# KiCad board Adafruit nRF52840 Bluefruit Feather Express Rev D.kicad_pcb (continued)
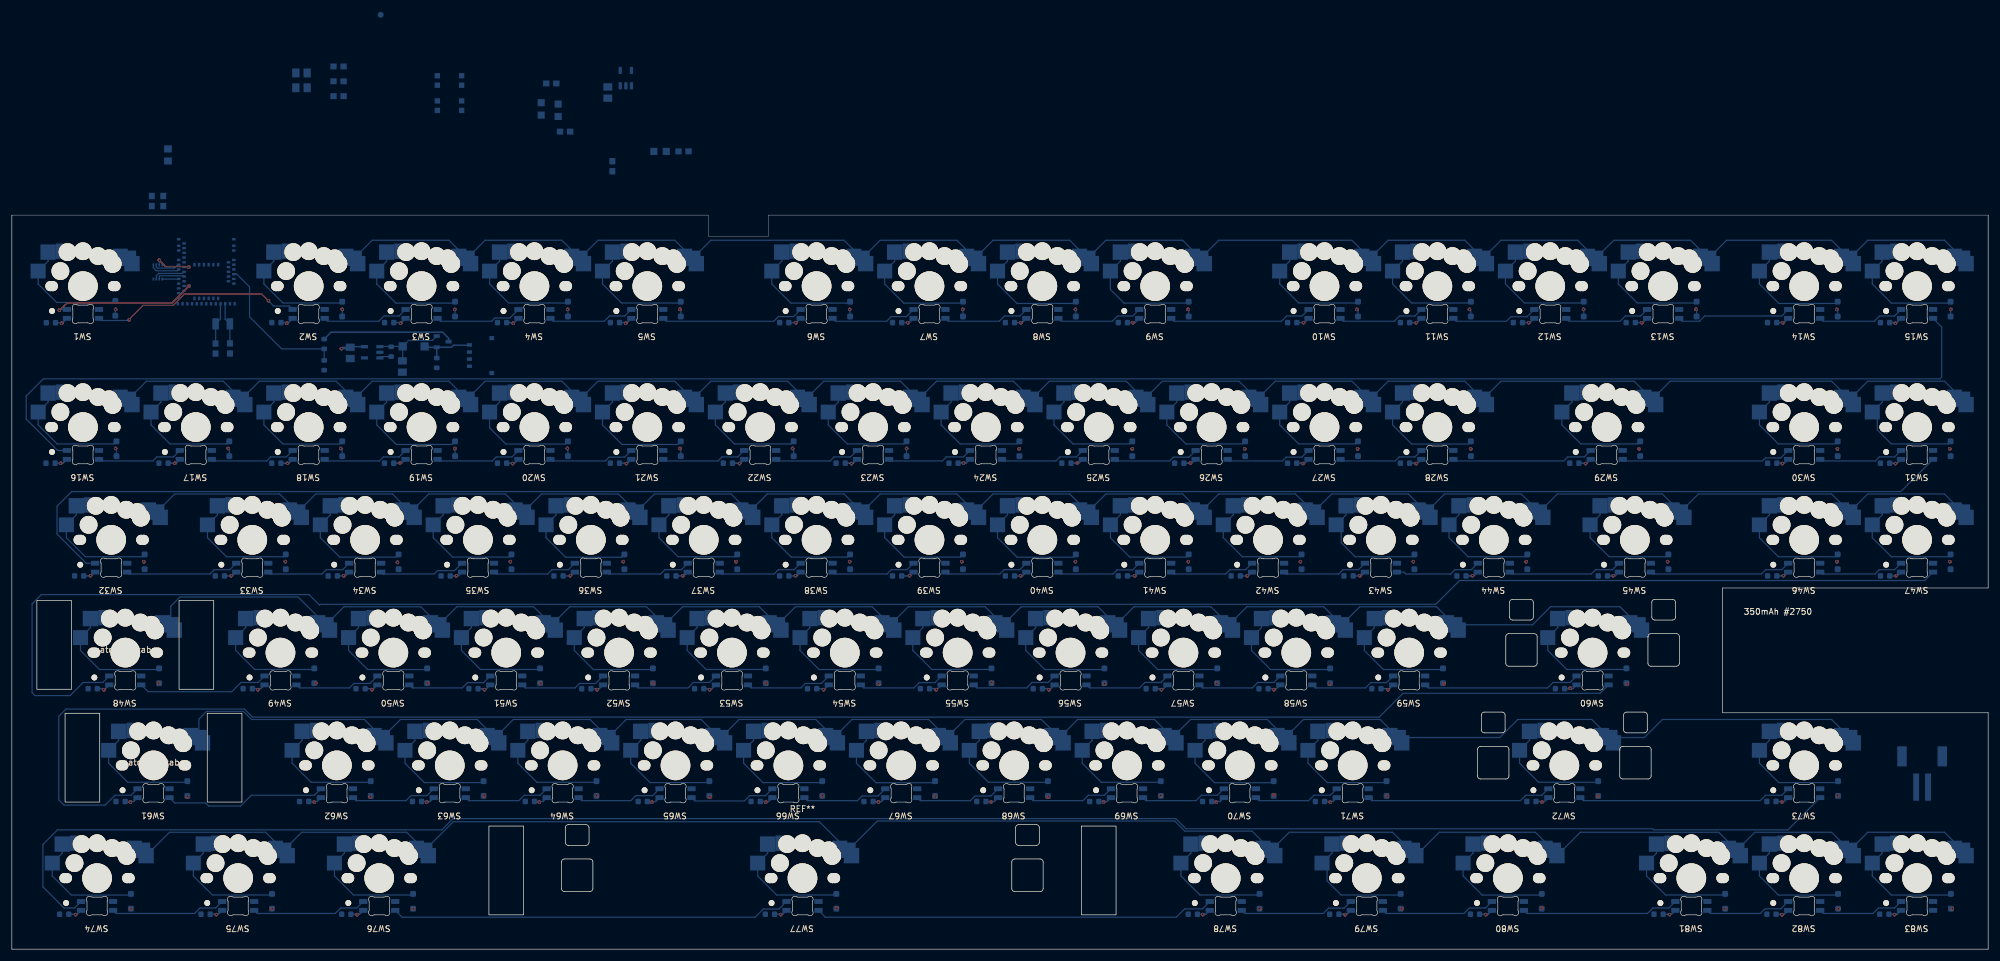
[diagram p0: board, top side]
## Routing (per net, layer and track width the routed paths; a pad name or vN(x,y) marks a point on that pad's centre or on a via; arc(x,y) is an arc through that point) (continued)
Net-(SW4B-DO): length 14.7
  Bottom w0.2: 90.9,106.56 91.38,106.08 99.99,106.08 100.87,106.97 103.45,106.97 104.55,108.06
Net-(SW5B-DO): length 24.2
  Bottom w0.2: SW5.5 110.43,106.08 128.6,106.08 129.38,106.87 131.93,106.87 SW6.3
Net-(SW6B-DO): length 14.7
  Bottom w0.2: SW6.5 139.01,106.08 147.65,106.08 148.43,106.87 150.98,106.87 SW7.3
Net-(SW7B-DO): length 14.7
  Bottom w0.2: SW8.3 170.13,106.97 167.55,106.97 166.66,106.08 158.06,106.08 SW7.5
Net-(SW8B-DO): length 14.7
  Bottom w0.2: SW8.5 177.11,106.08 185.75,106.08 186.63,106.97 189.18,106.97 SW9.3
Net-(SW10B-DI): length 24.2
  Bottom w0.2: SW10.3 217.75,106.96 215.17,106.96 214.29,106.08 196.16,106.08 SW9.5
Net-(SW10B-DO): length 14.7
  Bottom w0.2: SW10.5 224.73,106.08 233.34,106.08 234.22,106.97 236.8,106.97 SW11.3
Net-(SW11B-DO): length 14.7
  Bottom w0.2: SW12.3 255.72,106.84 253.01,106.84 252.26,106.08 243.78,106.08 SW11.5
Net-(SW12B-DO): length 14.7
  Bottom w0.2: SW12.5 262.83,106.08 271.44,106.08 272.32,106.97 274.9,106.97 SW13.3
Net-(SW13B-DO): length 19.4
  Bottom w0.2: SW13.5 281.88,106.08 284.83,106.08 285.72,106.97 298.72,106.97 SW14.3
Net-(SW14B-DO): length 14.7
  Bottom w0.2: SW15.3 317.77,106.97 315.25,106.97 314.36,106.08 305.69,106.08 SW14.5
Net-(SW15B-DO): length 348.1
  Bottom w0.2: 9.3,84.25 7.72,84.25 2.42,89.56 2.42,93.45 5.32,96.35 325.43,96.35 325.72,96.64 325.72,105.11 SW15.5
Net-(SW16-Pad1): length 347.5
  Bottom w0.2: SW31.1 326.19,95.95 313.24,95.95 SW30.1 307.14,95.95 279.9,95.95 SW29.1 273.8,95.95 251.32,95.95 SW28.1 245.23,95.95 232.27,95.95 SW27.1 226.18,95.95 213.22,95.95 SW26.1 207.12,95.95 194.17,95.95 SW25.1 188.07,95.95 175.12,95.95 SW24.1 169.03,95.95 156.07,95.95 SW23.1 149.97,95.95 137.03,95.95 SW22.1 130.92,95.95 117.97,95.95 SW21.1 111.88,95.95 98.92,95.95 SW20.1 92.82,95.95 79.88,95.95 SW19.1 73.78,95.95 60.83,95.95 SW18.1 54.73,95.95 41.77,95.95 SW17.1 35.68,95.95 22.73,95.95 SW16.1
Net-(SW16B-DO): length 14.5
  Bottom w0.2: SW16.5 14.97,82.48 23.81,82.48 24.48,83.15 27.25,83.15 SW17.3
Net-(SW17B-DO): length 14.5
  Bottom w0.2: SW17.5 34.02,82.48 43.02,82.48 43.69,83.15 46.3,83.15 SW18.3
Net-(SW18B-DO): length 14.5
  Bottom w0.2: SW18.5 53.07,82.48 62.04,82.48 62.71,83.15 65.35,83.15 SW19.3
Net-(SW19B-DO): length 14.5
  Bottom w0.2: SW19.5 72.12,82.48 81.09,82.48 81.76,83.15 84.4,83.15 85.5,84.25
Net-(SW20B-DO): length 14.5
  Bottom w0.2: 104.55,84.25 103.42,83.12 100.81,83.12 100.17,82.48 91.17,82.48 90.9,82.75
Net-(SW21B-DO): length 14.5
  Bottom w0.2: SW21.5 110.22,82.48 119.19,82.48 119.86,83.15 122.5,83.15 SW22.3
Net-(SW22B-DO): length 14.5
  Bottom w0.2: SW23.3 141.55,83.15 138.78,83.15 138.11,82.48 129.27,82.48 129,82.75
Net-(SW23B-DO): length 14.5
  Bottom w0.2: SW23.5 148.32,82.48 157.06,82.48 157.73,83.15 160.6,83.15 SW24.3
Net-(SW24B-DO): length 14.5
  Bottom w0.2: SW25.3 179.65,83.15 176.89,83.15 176.22,82.48 167.37,82.48 SW24.5
Net-(SW25B-DO): length 14.5
  Bottom w0.2: SW25.5 186.42,82.48 195.42,82.48 196.06,83.12 198.67,83.12 SW26.3
Net-(SW26B-DO): length 14.5
  Bottom w0.2: SW27.3 217.72,83.12 215.07,83.12 214.44,82.48 205.47,82.48 SW26.5
Net-(SW27B-DO): length 14.5
  Bottom w0.2: SW27.5 224.52,82.48 233.49,82.48 234.16,83.15 236.8,83.15 SW28.3
Net-(SW28B-DO): length 24
  Bottom w0.2: SW29.3 265.38,83.15 262.61,83.15 261.93,82.48 243.57,82.48 SW28.5
Net-(SW29B-DO): length 28.8
  Bottom w0.2: SW30.3 298.55,82.99 295.97,82.99 295.46,82.48 272.14,82.48 SW29.5
Net-(SW30B-DO): length 14.5
  Bottom w0.2: SW30.5 305.48,82.48 314.51,82.48 315.18,83.15 317.77,83.15 SW31.3
Net-(SW31B-DO): length 333.1
  Bottom w0.2: SW31.5 318.81,77.3 10.08,77.3 7.62,74.84 7.62,70.13 12.55,65.2 SW32.3
Net-(SW32-Pad1): length 342.7
  Bottom w0.2: SW47.1 326.19,76.9 313.24,76.9 SW46.1 307.14,76.9 284.66,76.9 SW45.1 278.56,76.9 260.85,76.9 SW44.1 254.75,76.9 241.8,76.9 SW43.1 235.7,76.9 222.75,76.9 SW42.1 216.65,76.9 203.7,76.9 SW41.1 197.6,76.9 184.65,76.9 SW40.1 178.55,76.9 165.6,76.9 162.55,73.85 159.5,76.9 146.55,76.9 SW38.1 140.45,76.9 127.5,76.9 124.45,73.85 121.4,76.9 108.45,76.9 SW36.1 102.35,76.9 89.4,76.9 SW35.1 83.3,76.9 70.35,76.9 SW34.1 64.25,76.9 51.3,76.9 SW33.1 45.2,76.9 27.49,76.9 SW32.1
Net-(SW32B-DO): length 19.3
  Bottom w0.2: SW32.5 19.78,63.38 33.45,63.38 34.17,64.1 36.78,64.1 SW33.3
Net-(SW33B-DO): length 14.5
  Bottom w0.2: SW33.5 43.59,63.38 52.33,63.38 53.06,64.1 55.83,64.1 SW34.3
Net-(SW34B-DO): length 14.5
  Bottom w0.2: SW35.3 74.72,63.95 71.82,63.95 71.26,63.38 62.64,63.38 SW34.5
Net-(SW35B-DO): length 14.5
  Bottom w0.2: SW35.5 81.69,63.38 90.43,63.38 91.16,64.1 93.93,64.1 SW36.3
Net-(SW36B-DO): length 14.5
  Bottom w0.2: SW37.3 112.98,64.1 110.21,64.1 109.48,63.38 100.74,63.38 SW36.5
Net-(SW37B-DO): length 14.5
  Bottom w0.2: SW37.5 119.79,63.38 128.66,63.38 129.38,64.1 132.03,64.1 SW38.3
Net-(SW38B-DO): length 14.5
  Bottom w0.2: SW38.5 138.84,63.38 147.71,63.38 148.43,64.1 151.08,64.1 SW39.3
Net-(SW39B-DO): length 14.5
  Bottom w0.2: SW40.3 170.13,64.1 167.48,64.1 166.76,63.38 157.89,63.38 SW39.5
Net-(SW40B-DO): length 14.5
  Bottom w0.2: SW41.3 189.14,64.07 186.53,64.07 185.85,63.38 176.94,63.38 SW40.5
Net-(SW41B-DO): length 14.5
  Bottom w0.2: SW41.5 195.99,63.38 204.86,63.38 205.58,64.1 208.23,64.1 SW42.3
Net-(SW42B-DO): length 14.5
  Bottom w0.2: SW42.5 215.04,63.38 223.95,63.38 224.67,64.1 227.28,64.1 SW43.3
Net-(SW43B-DO): length 14.5
  Bottom w0.2: SW44.3 246.33,64.1 243.56,64.1 242.83,63.38 235.28,63.38 234.96,63.7 SW43.5
Net-(SW44B-DO): length 19.3
  Bottom w0.2: SW45.3 270.14,64.1 267.3,64.1 266.58,63.38 253.14,63.38 SW44.5
Net-(SW45B-DO): length 24.1
  Bottom w0.2: SW45.5 276.96,63.38 295.28,63.38 296.01,64.1 298.72,64.1 SW46.3
Net-(SW46B-DO): length 14.5
  Bottom w0.2: SW47.3 317.77,64.1 315.18,64.1 314.46,63.38 305.53,63.38 SW46.5
Net-(SW47B-DO): length 354.1
  Bottom w0.2: SW47.5 322.84,62.28 244.34,62.28 240.32,58.25 52.03,58.25 51.92,58.14 50.15,59.9 4.98,59.9 3.42,58.34 3.42,43.34 3.92,42.84 9.82,42.84 12.04,45.05 15.35,45.05 SW48.3
Net-(SW48-Pad1): length 281.2
  Bottom w0.2: SW60.1 271.42,57.85 259.71,57.85 256.66,54.8 SW59.1 240.46,57.85 227.51,57.85 SW58.1 221.41,57.85 208.46,57.85 SW57.1 202.36,57.85 189.41,57.85 SW56.1 183.31,57.85 170.36,57.85 SW55.1 164.26,57.85 151.31,57.85 SW54.1 145.21,57.85 132.26,57.85 SW53.1 126.16,57.85 113.21,57.85 SW52.1 107.11,57.85 94.16,57.85 SW51.1 88.06,57.85 75.11,57.85 SW50.1 69.01,57.85 56.06,57.85 SW49.1 48.31,59.5 28.38,59.5 26.82,57.93 SW48.1
Net-(SW48B-DO): length 22.4
  Bottom w0.2: SW49.3 41.54,45.05 38.67,45.05 37.11,43.5 23,43.5 SW48.5
Net-(SW49B-DO): length 14.7
  Bottom w0.2: SW49.5 48.56,44.13 56.96,44.13 57.71,44.89 60.42,44.89 SW50.3
Net-(SW50B-DO): length 14.7
  Bottom w0.2: SW50.5 67.61,44.13 76.01,44.13 76.9,45.02 79.61,45.02 SW51.3
Net-(SW51B-DO): length 14.7
  Bottom w0.2: SW52.3 98.52,44.89 95.81,44.89 95.06,44.13 86.66,44.13 SW51.5
Net-(SW52B-DO): length 14.7
  Bottom w0.2: SW52.5 105.71,44.13 114.11,44.13 115.03,45.05 117.74,45.05 SW53.3
Net-(SW53B-DO): length 14.7
  Bottom w0.2: SW53.5 124.76,44.13 133.16,44.13 133.91,44.89 136.62,44.89 SW54.3
Net-(SW54B-DO): length 14.7
  Bottom w0.2: SW55.3 155.81,45.02 153.13,45.02 152.24,44.13 143.81,44.13 SW54.5
Net-(SW55B-DO): length 14.7
  Bottom w0.2: SW56.3 174.89,45.05 172.18,45.05 171.26,44.13 162.86,44.13 SW55.5
Net-(SW56B-DO): length 14.7
  Bottom w0.2: SW57.3 193.94,45.05 191.23,45.05 190.31,44.13 181.91,44.13 SW56.5
Net-(SW57B-DO): length 14.7
  Bottom w0.2: SW58.3 212.99,45.05 210.28,45.05 209.36,44.13 200.96,44.13 SW57.5
Net-(SW58B-DO): length 14.7
  Bottom w0.2: SW59.3 232.01,45.02 229.33,45.02 228.44,44.13 220.01,44.13 SW58.5
Net-(SW59B-DO): length 26.6
  Bottom w0.2: SW59.5 239.06,44.13 259.21,44.13 260.13,45.05 263,45.05 SW60.3
Net-(SW60B-DO): length 293.8
  Bottom w0.2: SW60.5 268.07,43.23 234.79,43.23 230.77,39.2 40.62,39.2 39.26,40.56 9.14,40.56 7.92,39.34 7.92,25.24 8.82,24.34 15.74,24.34 17.4,26 20.11,26 SW61.3
Net-(SW61-Pad1): length 312.9
  Bottom w0.2: SW65.1 116.34,38.8 103.69,38.8 SW64.1 97.59,38.8 84.64,38.8 SW63.1 78.54,38.8 65.59,38.8 SW62.1 59.49,38.8 40.45,38.8 39.09,40.15 32.86,40.15 31.58,38.88 SW61.1 ; SW65.1 122.74,38.8 135.69,38.8 SW66.1 141.79,38.8 154.74,38.8 SW67.1 160.84,38.8 173.79,38.8 SW68.1 179.89,38.8 192.84,38.8 SW69.1 198.94,38.8 211.89,38.8 SW70.1 217.99,38.8 230.94,38.8 SW71.1 251.12,35.75 254.17,38.8 266.66,38.8 SW72.1 275.53,35.75 278.58,38.8 307.14,38.8 SW73.1
Net-(SW61B-DO): length 27.4
  Bottom w0.2: SW61.5 27.51,24.7 32.7,24.7 33.23,24.18 38.59,24.18 40.41,26 51.07,26 SW62.3
Net-(SW62B-DO): length 14.7
  Bottom w0.2: SW62.5 58.08,25.08 66.52,25.08 67.37,25.94 70.05,25.94 SW63.3
Net-(SW63B-DO): length 14.7
  Bottom w0.2: SW64.3 89.17,26 86.49,26 85.56,25.08 77.13,25.08 SW63.5
Net-(SW64B-DO): length 14.7
  Bottom w0.2: SW65.3 108.15,25.94 105.32,25.94 104.46,25.08 96.18,25.08 SW64.5
Net-(SW65B-DO): length 14.7
  Bottom w0.2: SW65.5 115.28,25.04 123.62,25.04 124.52,25.94 127.2,25.94 SW66.3
Net-(SW66B-DO): length 14.7
  Bottom w0.2: SW67.3 146.18,25.87 143.51,25.87 142.72,25.08 134.28,25.08 SW66.5
Net-(SW67B-DO): length 14.7
  Bottom w0.2: SW67.5 153.33,25.08 161.77,25.08 162.56,25.87 165.23,25.87 SW68.3
Net-(SW68B-DO): length 14.7
  Bottom w0.2: SW68.5 172.38,25.08 180.76,25.08 181.69,26 184.42,26 SW69.3
Net-(SW69B-DO): length 14.7
  Bottom w0.2: SW69.5 191.43,25.08 199.86,25.08 200.79,26 203.47,26 SW70.3
Net-(SW70B-DO): length 14.7
  Bottom w0.2: SW71.3 222.52,26 219.79,26 218.86,25.08 210.48,25.08 SW70.5
Net-(SW71B-DO): length 31.4
  Bottom w0.2: SW71.5 229.53,25.08 254.61,25.08 255.53,26 258.23,26 SW72.3
Net-(SW72B-DO): length 36.1
  Bottom w0.2: SW72.5 265.25,25.08 295.06,25.08 295.99,26 298.72,26 SW73.3
Net-(SW73B-DO): length 320.4
  Bottom w0.2: SW73.5 299.76,20.15 277.12,20.15 276.93,20.34 198.15,20.34 196.44,22.06 74.47,22.06 72.56,20.15 7.7,20.15 5.24,17.69 5.24,10.52 8.81,6.95 10.58,6.95 SW74.3
Net-(SW74-Pad1): length 333.3
  Bottom w0.2: SW80.1 264.73,19.75 288.09,19.75 SW81.1 294.19,19.75 307.14,19.75 SW82.1 313.24,19.75 326.19,19.75 SW83.1 ; SW80.1 257.13,19.75 240.92,19.75 SW79.1 233.02,19.75 215.61,19.75 SW78.1 209.32,19.94 197.99,19.94 196.27,21.65 146.07,21.65 SW77.1 136.29,21.53 74.51,21.53 SW76.1 66.63,19.75 48.92,19.75 SW75.1 42.82,19.75 26.61,19.75 SW74.1
Net-(SW74B-DO): length 19.5
  Bottom w0.2: SW74.5 17.6,6.03 30.83,6.03 31.75,6.95 34.4,6.95 SW75.3
Net-(SW75B-DO): length 19.5
  Bottom w0.2: SW75.5 41.41,6.03 54.58,6.03 55.5,6.95 58.21,6.95 SW76.3
Net-(SW76B-DO): length 67.6
  Bottom w0.2: SW77.3 129.48,6.79 126.84,6.79 125.45,5.4 65.86,5.4 SW76.5
Net-(SW77B-DO): length 67.6
  Bottom w0.2: SW77.5 137.3,5.4 196.53,5.4 197.93,6.79 200.92,6.79 SW78.3
Net-(SW78B-DO): length 19.5
  Bottom w0.2: SW78.5 208.1,6.03 221.33,6.03 222.24,6.94 224.88,6.94 SW79.3
Net-(SW79B-DO): length 19.5
  Bottom w0.2: SW80.3 248.71,6.95 246,6.95 245.08,6.03 231.91,6.03 SW79.5
Net-(SW80B-DO): length 26.6
  Bottom w0.2: SW80.5 255.72,6.03 276.07,6.03 276.99,6.95 279.67,6.95 SW81.3
Net-(SW81B-DO): length 14.7
  Bottom w0.2: SW81.5 286.68,6.03 295.11,6.03 295.9,6.82 298.58,6.82 SW82.3
Net-(SW82B-DO): length 14.7
  Bottom w0.2: SW83.3 317.77,6.95 315.04,6.95 314.11,6.03 305.73,6.03 SW82.5

## Copper pours and planes (outline as drawn; the poured copper is in the pictures)
3.3V on In1.Cu: -4.08,129.54 337.92,129.64 338.92,-5.36 -6.58,-6.26
GND on In2.Cu: -4.08,129.14 337.42,129.44 338.22,-5.16 -6.08,-5.66

## Text on the board
Edge.Cuts: 350mAh #2750
